# Altium PCB mantarray_beta2_sensor_arrayed.PcbDoc (part 13 of 14)
Units mil, origin at the board's own origin, x right, y up, seen from the top; angles counter-clockwise.
Board outline 6232.47 x 10167.51 mil, 8 copper layers (Layer1_Top, Layer2_sig1, Layer3_AVDD_PLANE, Layer4_GND_PLANE, Layer5_DVDD_PLANE, Layer6_BUS, Layer7_sig2, Layer8_BOT), stack 50.224 mil thick; 470 components, 492 nets, 4650 pads, 3798 vias.
Unrouted connection lines stored in the file: 3.
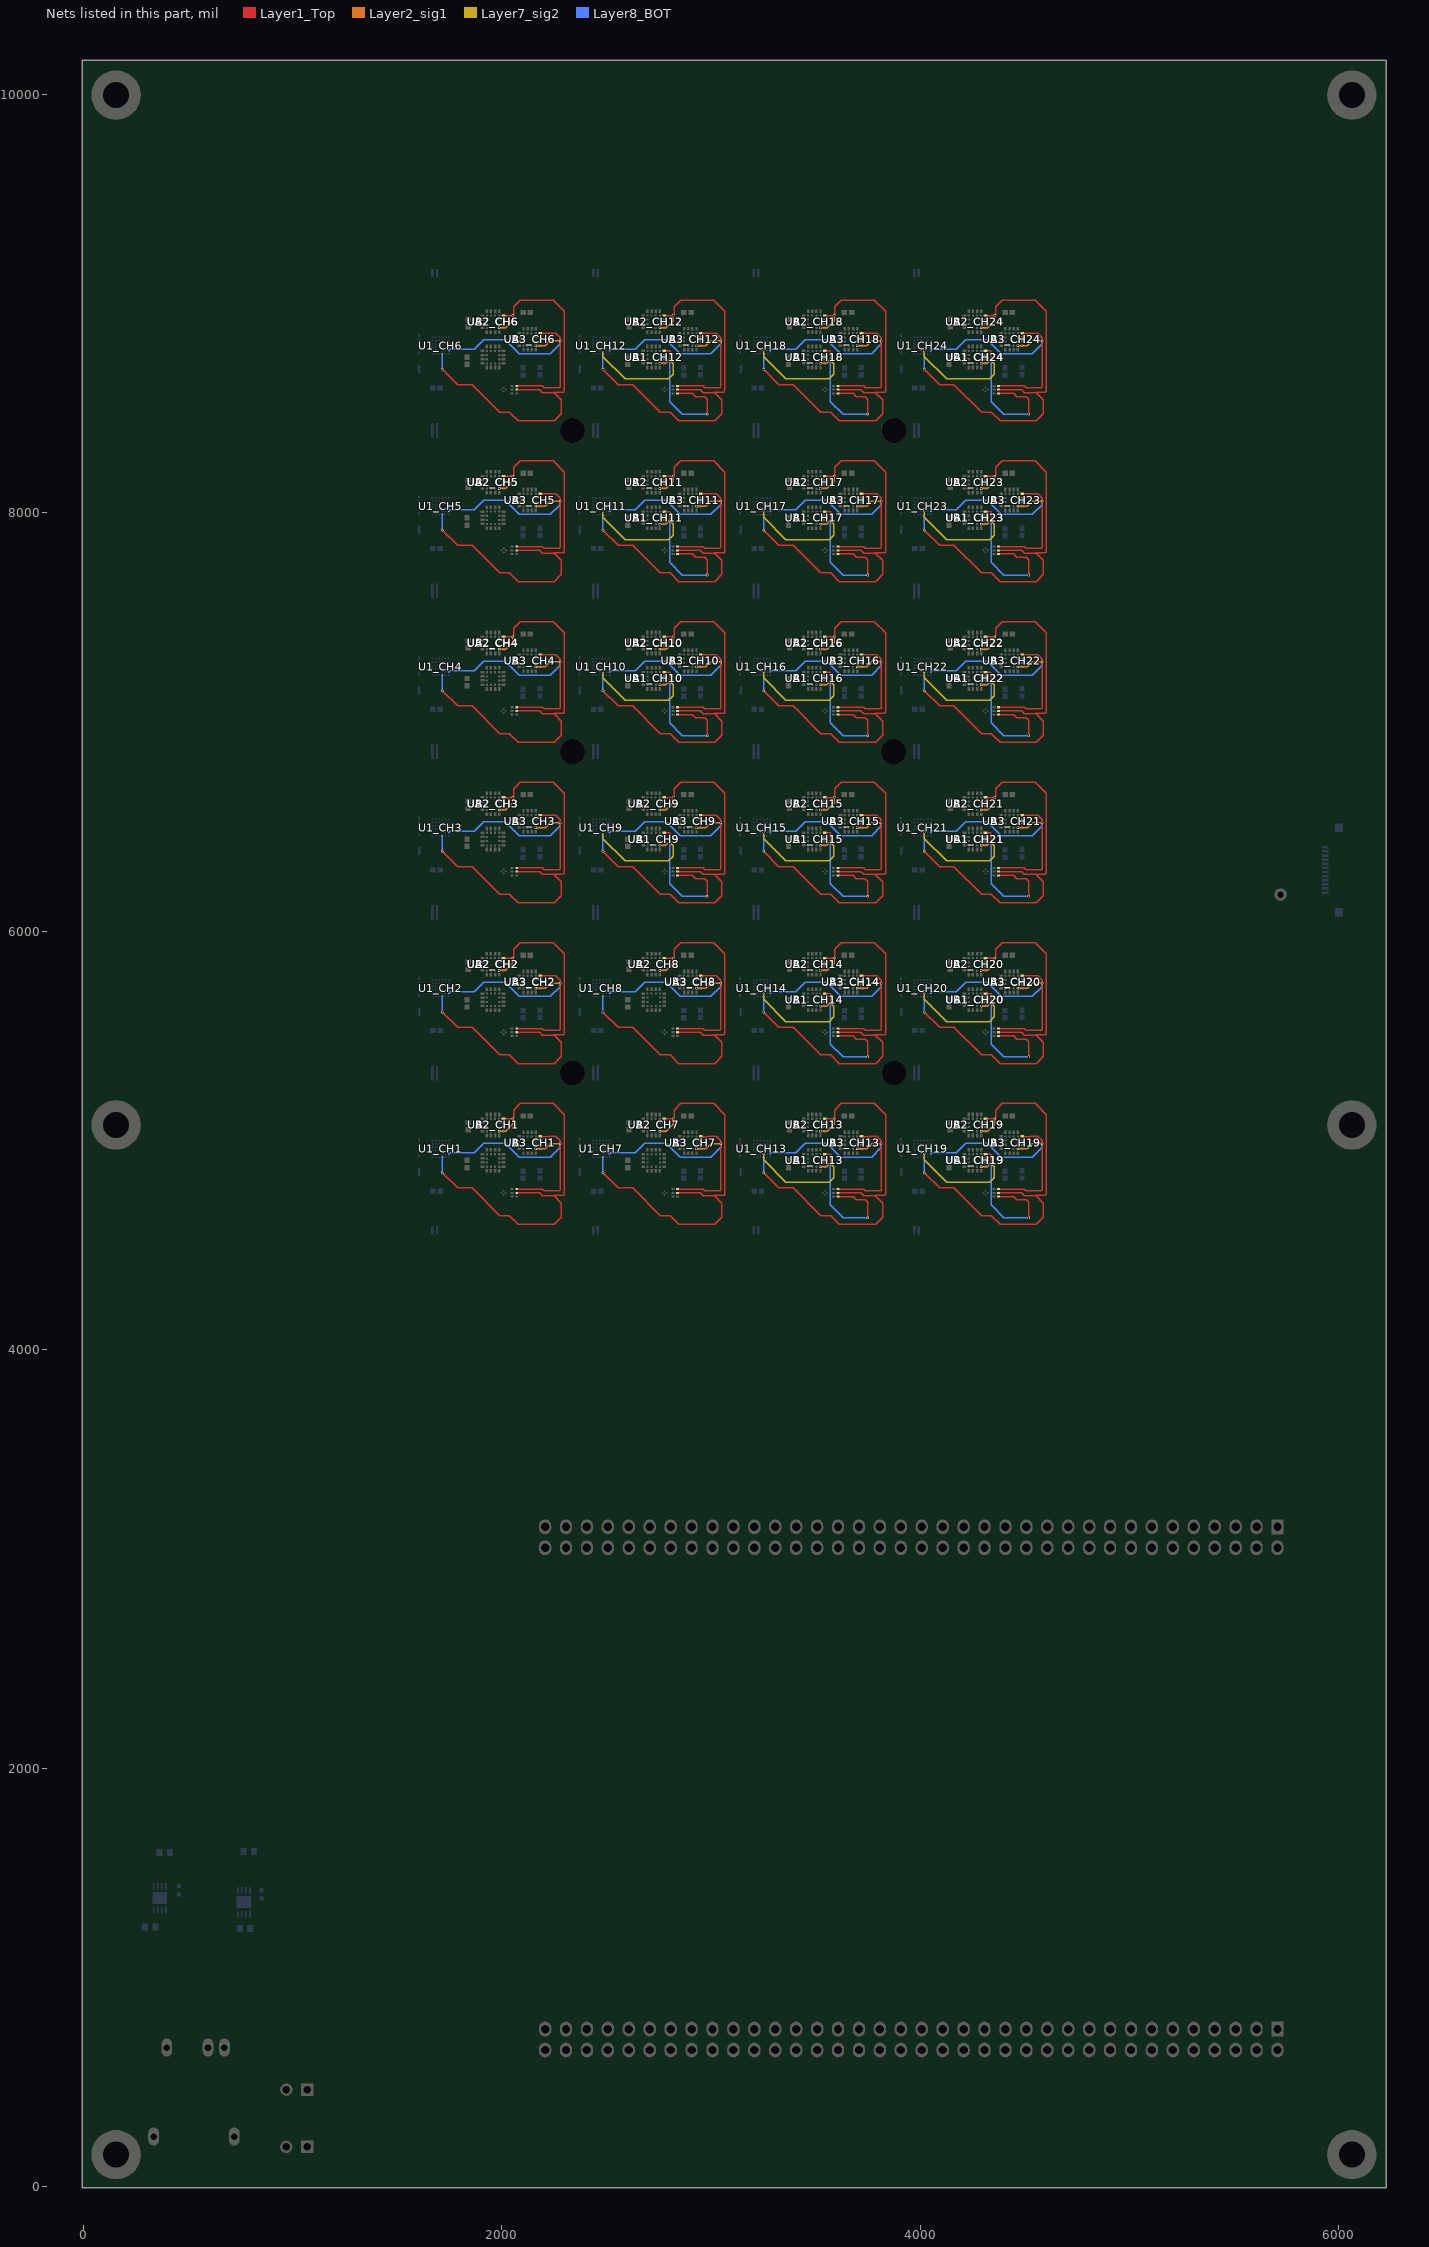
[diagram p19: the nets of this part, all layers, seen from the top]

## Via types
v1: diameter 12/12/12/12/12 (per signal layer), hole 7.87, Layer1_Top to Layer8_BOT, 2208 vias
v2: diameter 32, hole 20, Layer1_Top to Layer8_BOT, 815 vias
v3: diameter 10/10/10/10/10 (per signal layer), hole 7.87, Layer1_Top to Layer8_BOT, 456 vias
v4: diameter 18, hole 8, Layer6_BUS to Layer7_sig2, 102 vias
v5: diameter 10/10 (per signal layer), hole 7.87, Layer7_sig2 to Layer8_BOT, 96 vias
v6: diameter 18, hole 16, Layer1_Top to Layer8_BOT, 57 vias
v7: diameter 12, hole 7.87, Layer1_Top to Layer8_BOT, 26 vias
v8: diameter 18, hole 8, Layer1_Top to Layer8_BOT, 17 vias
v9: diameter 32, hole 16, Layer1_Top to Layer8_BOT, 10 vias
v10: diameter 19.68, hole 7.87, Layer1_Top to Layer8_BOT, 4 vias
v11: diameter 30, hole 20, Layer1_Top to Layer8_BOT, 3 vias
v12: diameter 70.87, hole 47.24, Layer1_Top to Layer8_BOT, 2 vias
v13: diameter 20, hole 16, Layer3_AVDD_PLANE to Layer8_BOT, 1 vias
v14: diameter 20, hole 16, Layer5_DVDD_PLANE to Layer8_BOT, 1 vias

## Nets (pads, with @x,y where several pads share a name; then routed paths per layer and width w, separated by ;. In a path a pad name is that pad's centre, name@x,y a point inside that pad or via, vN(x,y) a via of type N, cw(c..) or ccw(c..) an arc to the next point about the centre after c; other vN are vias at no path point) (continued)
spiA_cs_CH9: R7_CH9.2 U1_CH9.E3 UA1_CH9.10 UB1_CH9.4 | length 1246
  Layer1_Top w6: UB1_CH9.4@2776.37,6470.19 2801.6,6470.19 2805.12,6466.67 2805.12,6429.13 v1(2803.15,6427.17) ; R7_CH9.2@2839.57,6267.72 2911.42,6267.72 2927.17,6251.97 2970.47,6251.97 2982.28,6240.16 v1(2982.28,6167.32)
  Layer2_sig1 w6: v1(2756.4,6410.64) 2784.66,6410.64 2800.07,6426.05 2800.47,6426.05 2801.18,6426.77 v1@2801.18,6427.17
  Layer7_sig2 w6: v5(2484.25,6472.44) 2484.25,6442.91 2590.55,6336.61 2797.24,6336.61 2818.9,6358.27 2818.9,6409.45 v1@2801.18,6427.17
  Layer8_BOT w6: v1(2803.15,6427.17) 2803.15,6228.35 2864.17,6167.32 v1(2982.28,6167.32)
spiA_cs_CH10: R7_CH10.2 U1_CH10.E3 UA1_CH10.10 UB1_CH10.4 | length 1246
  Layer1_Top w6: UB1_CH10.4@2776.37,7237.91 2801.6,7237.91 2805.12,7234.39 2805.12,7196.85 v1(2803.15,7194.88) ; R7_CH10.2@2839.57,7035.43 2911.42,7035.43 2927.17,7019.69 2970.47,7019.69 2982.28,7007.87 v1(2982.28,6935.04)
  Layer2_sig1 w6: v1(2756.4,7178.36) 2784.66,7178.36 2800.07,7193.77 2800.47,7193.77 2801.18,7194.49 v1@2801.18,7194.88
  Layer7_sig2 w6: v5(2484.25,7240.16) 2484.25,7210.63 2590.55,7104.33 2797.24,7104.33 2818.9,7125.98 2818.9,7177.17 v1@2801.18,7194.88
  Layer8_BOT w6: v1(2803.15,7194.88) 2803.15,6996.06 2864.17,6935.04 v1(2982.28,6935.04)
spiA_cs_CH11: R7_CH11.2 U1_CH11.E3 UA1_CH11.10 UB1_CH11.4 | length 1246
  Layer1_Top w6: UB1_CH11.4@2776.37,8005.62 2801.6,8005.62 2805.12,8002.11 2805.12,7964.57 v1(2803.15,7962.6) ; R7_CH11.2@2839.57,7803.15 2911.42,7803.15 2927.17,7787.4 2970.47,7787.4 2982.28,7775.59 v1(2982.28,7702.76)
  Layer2_sig1 w6: v1(2756.4,7946.07) 2784.66,7946.07 2800.07,7961.49 2800.47,7961.49 2801.18,7962.2 v1@2801.18,7962.6
  Layer7_sig2 w6: v5(2484.25,8007.87) 2484.25,7978.35 2590.55,7872.05 2797.24,7872.05 2818.9,7893.7 2818.9,7944.88 v1@2801.18,7962.6
  Layer8_BOT w6: v1(2803.15,7962.6) 2803.15,7763.78 2864.17,7702.76 v1(2982.28,7702.76)
spiA_cs_CH12: R7_CH12.2 U1_CH12.E3 UA1_CH12.10 UB1_CH12.4 | length 1246
  Layer1_Top w6: UB1_CH12.4@2776.37,8773.34 2801.6,8773.34 2805.12,8769.82 2805.12,8732.28 v1(2803.15,8730.31) ; R7_CH12.2@2839.57,8570.87 2911.42,8570.87 2927.17,8555.12 2970.47,8555.12 2982.28,8543.31 v1(2982.28,8470.47)
  Layer2_sig1 w6: v1(2756.4,8713.79) 2784.66,8713.79 2800.07,8729.2 2800.47,8729.2 2801.18,8729.92 v1@2801.18,8730.31
  Layer7_sig2 w6: v5(2484.25,8775.59) 2484.25,8746.06 2590.55,8639.76 2797.24,8639.76 2818.9,8661.42 2818.9,8712.6 v1@2801.18,8730.31
  Layer8_BOT w6: v1(2803.15,8730.31) 2803.15,8531.5 2864.17,8470.47 v1(2982.28,8470.47)
spiA_cs_CH13: R7_CH13.2 U1_CH13.E3 UA1_CH13.10 UB1_CH13.4 | length 1246
  Layer1_Top w6: UB1_CH13.4@3544.09,4934.76 3569.32,4934.76 3572.83,4931.24 3572.83,4893.7 v1(3570.87,4891.73) ; R7_CH13.2@3607.28,4732.28 3679.13,4732.28 3694.88,4716.54 3738.19,4716.54 3750,4704.72 v1(3750,4631.89)
  Layer2_sig1 w6: v1(3524.12,4875.21) 3552.37,4875.21 3567.79,4890.62 3568.18,4890.62 3568.9,4891.34 v1@3568.9,4891.73
  Layer7_sig2 w6: v5(3251.97,4937.01) 3251.97,4907.48 3358.27,4801.18 3564.96,4801.18 3586.61,4822.83 3586.61,4874.02 v1@3568.9,4891.73
  Layer8_BOT w6: v1(3570.87,4891.73) 3570.87,4692.91 3631.89,4631.89 v1(3750,4631.89)
spiA_cs_CH14: R7_CH14.2 U1_CH14.E3 UA1_CH14.10 UB1_CH14.4 | length 1246
  Layer1_Top w6: UB1_CH14.4@3544.09,5702.47 3569.32,5702.47 3572.83,5698.96 3572.83,5661.42 v1(3570.87,5659.45) ; R7_CH14.2@3607.28,5500 3679.13,5500 3694.88,5484.25 3738.19,5484.25 3750,5472.44 v1(3750,5399.61)
  Layer2_sig1 w6: v1(3524.12,5642.92) 3552.37,5642.92 3567.79,5658.34 3568.18,5658.34 3568.9,5659.05 v1@3568.9,5659.45
  Layer7_sig2 w6: v5(3251.97,5704.72) 3251.97,5675.2 3358.27,5568.9 3564.96,5568.9 3586.61,5590.55 3586.61,5641.73 v1@3568.9,5659.45
  Layer8_BOT w6: v1(3570.87,5659.45) 3570.87,5460.63 3631.89,5399.61 v1(3750,5399.61)
spiA_cs_CH15: R7_CH15.2 U1_CH15.E3 UA1_CH15.10 UB1_CH15.4 | length 1246
  Layer1_Top w6: UB1_CH15.4@3544.09,6470.19 3569.32,6470.19 3572.83,6466.67 3572.83,6429.13 v1(3570.87,6427.17) ; R7_CH15.2@3607.28,6267.72 3679.13,6267.72 3694.88,6251.97 3738.19,6251.97 3750,6240.16 v1(3750,6167.32)
  Layer2_sig1 w6: v1(3524.12,6410.64) 3552.37,6410.64 3567.79,6426.05 3568.18,6426.05 3568.9,6426.77 v1@3568.9,6427.17
  Layer7_sig2 w6: v5(3251.97,6472.44) 3251.97,6442.91 3358.27,6336.61 3564.96,6336.61 3586.61,6358.27 3586.61,6409.45 v1@3568.9,6427.17
  Layer8_BOT w6: v1(3570.87,6427.17) 3570.87,6228.35 3631.89,6167.32 v1(3750,6167.32)
spiA_cs_CH16: R7_CH16.2 U1_CH16.E3 UA1_CH16.10 UB1_CH16.4 | length 1246
  Layer1_Top w6: UB1_CH16.4@3544.09,7237.91 3569.32,7237.91 3572.83,7234.39 3572.83,7196.85 v1(3570.87,7194.88) ; R7_CH16.2@3607.28,7035.43 3679.13,7035.43 3694.88,7019.69 3738.19,7019.69 3750,7007.87 v1(3750,6935.04)
  Layer2_sig1 w6: v1(3524.12,7178.36) 3552.37,7178.36 3567.79,7193.77 3568.18,7193.77 3568.9,7194.49 v1@3568.9,7194.88
  Layer7_sig2 w6: v5(3251.97,7240.16) 3251.97,7210.63 3358.27,7104.33 3564.96,7104.33 3586.61,7125.98 3586.61,7177.17 v1@3568.9,7194.88
  Layer8_BOT w6: v1(3570.87,7194.88) 3570.87,6996.06 3631.89,6935.04 v1(3750,6935.04)
spiA_cs_CH17: R7_CH17.2 U1_CH17.E3 UA1_CH17.10 UB1_CH17.4 | length 1246
  Layer1_Top w6: UB1_CH17.4@3544.09,8005.62 3569.32,8005.62 3572.83,8002.11 3572.83,7964.57 v1(3570.87,7962.6) ; R7_CH17.2@3607.28,7803.15 3679.13,7803.15 3694.88,7787.4 3738.19,7787.4 3750,7775.59 v1(3750,7702.76)
  Layer2_sig1 w6: v1(3524.12,7946.07) 3552.37,7946.07 3567.79,7961.49 3568.18,7961.49 3568.9,7962.2 v1@3568.9,7962.6
  Layer7_sig2 w6: v5(3251.97,8007.87) 3251.97,7978.35 3358.27,7872.05 3564.96,7872.05 3586.61,7893.7 3586.61,7944.88 v1@3568.9,7962.6
  Layer8_BOT w6: v1(3570.87,7962.6) 3570.87,7763.78 3631.89,7702.76 v1(3750,7702.76)
spiA_cs_CH18: R7_CH18.2 U1_CH18.E3 UA1_CH18.10 UB1_CH18.4 | length 1246
  Layer1_Top w6: UB1_CH18.4@3544.09,8773.34 3569.32,8773.34 3572.83,8769.82 3572.83,8732.28 v1(3570.87,8730.31) ; R7_CH18.2@3607.28,8570.87 3679.13,8570.87 3694.88,8555.12 3738.19,8555.12 3750,8543.31 v1(3750,8470.47)
  Layer2_sig1 w6: v1(3524.12,8713.79) 3552.37,8713.79 3567.79,8729.2 3568.18,8729.2 3568.9,8729.92 v1@3568.9,8730.31
  Layer7_sig2 w6: v5(3251.97,8775.59) 3251.97,8746.06 3358.27,8639.76 3564.96,8639.76 3586.61,8661.42 3586.61,8712.6 v1@3568.9,8730.31
  Layer8_BOT w6: v1(3570.87,8730.31) 3570.87,8531.5 3631.89,8470.47 v1(3750,8470.47)
spiA_cs_CH19: R7_CH19.2 U1_CH19.E3 UA1_CH19.10 UB1_CH19.4 | length 1246
  Layer1_Top w6: UB1_CH19.4@4311.8,4934.76 4337.04,4934.76 4340.55,4931.24 4340.55,4893.7 v1(4338.58,4891.73) ; R7_CH19.2@4375,4732.28 4446.85,4732.28 4462.6,4716.54 4505.91,4716.54 4517.72,4704.72 v1(4517.72,4631.89)
  Layer2_sig1 w6: v1(4291.83,4875.21) 4320.09,4875.21 4335.5,4890.62 4335.9,4890.62 4336.61,4891.34 v1@4336.61,4891.73
  Layer7_sig2 w6: v5(4019.69,4937.01) 4019.69,4907.48 4125.98,4801.18 4332.68,4801.18 4354.33,4822.83 4354.33,4874.02 v1@4336.61,4891.73
  Layer8_BOT w6: v1(4338.58,4891.73) 4338.58,4692.91 4399.61,4631.89 v1(4517.72,4631.89)
spiA_cs_CH20: R7_CH20.2 U1_CH20.E3 UA1_CH20.10 UB1_CH20.4 | length 1246
  Layer1_Top w6: UB1_CH20.4@4311.8,5702.47 4337.04,5702.47 4340.55,5698.96 4340.55,5661.42 v1(4338.58,5659.45) ; R7_CH20.2@4375,5500 4446.85,5500 4462.6,5484.25 4505.91,5484.25 4517.72,5472.44 v1(4517.72,5399.61)
  Layer2_sig1 w6: v1(4291.83,5642.92) 4320.09,5642.92 4335.5,5658.34 4335.9,5658.34 4336.61,5659.05 v1@4336.61,5659.45
  Layer7_sig2 w6: v5(4019.69,5704.72) 4019.69,5675.2 4125.98,5568.9 4332.68,5568.9 4354.33,5590.55 4354.33,5641.73 v1@4336.61,5659.45
  Layer8_BOT w6: v1(4338.58,5659.45) 4338.58,5460.63 4399.61,5399.61 v1(4517.72,5399.61)
spiA_cs_CH21: R7_CH21.2 U1_CH21.E3 UA1_CH21.10 UB1_CH21.4 | length 1246
  Layer1_Top w6: UB1_CH21.4@4311.8,6470.19 4337.04,6470.19 4340.55,6466.67 4340.55,6429.13 v1(4338.58,6427.17) ; R7_CH21.2@4375,6267.72 4446.85,6267.72 4462.6,6251.97 4505.91,6251.97 4517.72,6240.16 v1(4517.72,6167.32)
  Layer2_sig1 w6: v1(4291.83,6410.64) 4320.09,6410.64 4335.5,6426.05 4335.9,6426.05 4336.61,6426.77 v1@4336.61,6427.17
  Layer7_sig2 w6: v5(4019.69,6472.44) 4019.69,6442.91 4125.98,6336.61 4332.68,6336.61 4354.33,6358.27 4354.33,6409.45 v1@4336.61,6427.17
  Layer8_BOT w6: v1(4338.58,6427.17) 4338.58,6228.35 4399.61,6167.32 v1(4517.72,6167.32)
spiA_cs_CH22: R7_CH22.2 U1_CH22.E3 UA1_CH22.10 UB1_CH22.4 | length 1246
  Layer1_Top w6: UB1_CH22.4@4311.8,7237.91 4337.04,7237.91 4340.55,7234.39 4340.55,7196.85 v1(4338.58,7194.88) ; R7_CH22.2@4375,7035.43 4446.85,7035.43 4462.6,7019.69 4505.91,7019.69 4517.72,7007.87 v1(4517.72,6935.04)
  Layer2_sig1 w6: v1(4291.83,7178.36) 4320.09,7178.36 4335.5,7193.77 4335.9,7193.77 4336.61,7194.49 v1@4336.61,7194.88
  Layer7_sig2 w6: v5(4019.69,7240.16) 4019.69,7210.63 4125.98,7104.33 4332.68,7104.33 4354.33,7125.98 4354.33,7177.17 v1@4336.61,7194.88
  Layer8_BOT w6: v1(4338.58,7194.88) 4338.58,6996.06 4399.61,6935.04 v1(4517.72,6935.04)
spiA_cs_CH23: R7_CH23.2 U1_CH23.E3 UA1_CH23.10 UB1_CH23.4 | length 1246
  Layer1_Top w6: UB1_CH23.4@4311.8,8005.62 4337.04,8005.62 4340.55,8002.11 4340.55,7964.57 v1(4338.58,7962.6) ; R7_CH23.2@4375,7803.15 4446.85,7803.15 4462.6,7787.4 4505.91,7787.4 4517.72,7775.59 v1(4517.72,7702.76)
  Layer2_sig1 w6: v1(4291.83,7946.07) 4320.09,7946.07 4335.5,7961.49 4335.9,7961.49 4336.61,7962.2 v1@4336.61,7962.6
  Layer7_sig2 w6: v5(4019.69,8007.87) 4019.69,7978.35 4125.98,7872.05 4332.68,7872.05 4354.33,7893.7 4354.33,7944.88 v1@4336.61,7962.6
  Layer8_BOT w6: v1(4338.58,7962.6) 4338.58,7763.78 4399.61,7702.76 v1(4517.72,7702.76)
spiA_cs_CH24: R7_CH24.2 U1_CH24.E3 UA1_CH24.10 UB1_CH24.4 | length 1246
  Layer1_Top w6: UB1_CH24.4@4311.8,8773.34 4337.04,8773.34 4340.55,8769.82 4340.55,8732.28 v1(4338.58,8730.31) ; R7_CH24.2@4375,8570.87 4446.85,8570.87 4462.6,8555.12 4505.91,8555.12 4517.72,8543.31 v1(4517.72,8470.47)
  Layer2_sig1 w6: v1(4291.83,8713.79) 4320.09,8713.79 4335.5,8729.2 4335.9,8729.2 4336.61,8729.92 v1@4336.61,8730.31
  Layer7_sig2 w6: v5(4019.69,8775.59) 4019.69,8746.06 4125.98,8639.76 4332.68,8639.76 4354.33,8661.42 4354.33,8712.6 v1@4336.61,8730.31
  Layer8_BOT w6: v1(4338.58,8730.31) 4338.58,8531.5 4399.61,8470.47 v1(4517.72,8470.47)
spiB_cs_CH1: R8_CH1.2 U1_CH1.F3 UA2_CH1.10 UB2_CH1.4 | length 1966.1
  Layer1_Top w6: v1(1716.54,4846.46) 1789.37,4773.62 1858.27,4773.62 1990.16,4641.73 2037.4,4641.73 2078.74,4600.39 2251.13,4600.39 2285.16,4634.43 2285.16,4701.62 2248.6,4738.19 ; UB2_CH1.4@2008.16,5104.04 2053.57,5104.04 2057.09,5107.56 2057.09,5145.67 2088.58,5177.17 2246.06,5177.17 2299.21,5124.02 2299.21,4741.7 2295.7,4738.19 2248.6,4738.19 ; R8_CH1.2@2071.85,4750 2181.1,4750 2194.88,4736.22 2246.63,4736.22 2248.6,4738.19
  Layer2_sig1 w6: v1(1988.19,5045.28) 2019.69,5045.28 2053.15,5078.74 v1(2053.15,5104.33)
  Layer8_BOT w6: v1(1716.54,4846.46) U1_CH1.F3@1716.54,4921.26
spiB_cs_CH2: R8_CH2.2 U1_CH2.F3 UA2_CH2.10 UB2_CH2.4 | length 1966.1
  Layer1_Top w6: v1(1716.54,5614.17) 1789.37,5541.34 1858.27,5541.34 1990.16,5409.45 2037.4,5409.45 2078.74,5368.11 2251.13,5368.11 2285.16,5402.14 2285.16,5469.34 2248.6,5505.91 ; UB2_CH2.4@2008.16,5871.76 2053.57,5871.76 2057.09,5875.28 2057.09,5913.39 2088.58,5944.88 2246.06,5944.88 2299.21,5891.73 2299.21,5509.42 2295.7,5505.91 2248.6,5505.91 ; R8_CH2.2@2071.85,5517.72 2181.1,5517.72 2194.88,5503.94 2246.63,5503.94 2248.6,5505.91
  Layer2_sig1 w6: v1(1988.19,5812.99) 2019.69,5812.99 2053.15,5846.46 v1(2053.15,5872.05)
  Layer8_BOT w6: v1(1716.54,5614.17) U1_CH2.F3@1716.54,5688.98
spiB_cs_CH3: R8_CH3.2 U1_CH3.F3 UA2_CH3.10 UB2_CH3.4 | length 1966.1
  Layer1_Top w6: v1(1716.54,6381.89) 1789.37,6309.06 1858.27,6309.06 1990.16,6177.17 2037.4,6177.17 2078.74,6135.83 2251.13,6135.83 2285.16,6169.86 2285.16,6237.06 2248.6,6273.62 ; UB2_CH3.4@2008.16,6639.48 2053.57,6639.48 2057.09,6642.99 2057.09,6681.1 2088.58,6712.6 2246.06,6712.6 2299.21,6659.45 2299.21,6277.14 2295.7,6273.62 2248.6,6273.62 ; R8_CH3.2@2071.85,6285.43 2181.1,6285.43 2194.88,6271.65 2246.63,6271.65 2248.6,6273.62
  Layer2_sig1 w6: v1(1988.19,6580.71) 2019.69,6580.71 2053.15,6614.17 v1(2053.15,6639.76)
  Layer8_BOT w6: v1(1716.54,6381.89) U1_CH3.F3@1716.54,6456.69
spiB_cs_CH4: R8_CH4.2 U1_CH4.F3 UA2_CH4.10 UB2_CH4.4 | length 1966.1
  Layer1_Top w6: v1(1716.54,7149.61) 1789.37,7076.77 1858.27,7076.77 1990.16,6944.88 2037.4,6944.88 2078.74,6903.54 2251.13,6903.54 2285.16,6937.58 2285.16,7004.77 2248.6,7041.34 ; UB2_CH4.4@2008.16,7407.19 2053.57,7407.19 2057.09,7410.71 2057.09,7448.82 2088.58,7480.31 2246.06,7480.31 2299.21,7427.17 2299.21,7044.85 2295.7,7041.34 2248.6,7041.34 ; R8_CH4.2@2071.85,7053.15 2181.1,7053.15 2194.88,7039.37 2246.63,7039.37 2248.6,7041.34
  Layer2_sig1 w6: v1(1988.19,7348.43) 2019.69,7348.43 2053.15,7381.89 v1(2053.15,7407.48)
  Layer8_BOT w6: v1(1716.54,7149.61) U1_CH4.F3@1716.54,7224.41
spiB_cs_CH5: R8_CH5.2 U1_CH5.F3 UA2_CH5.10 UB2_CH5.4 | length 1966.1
  Layer1_Top w6: v1(1716.54,7917.32) 1789.37,7844.49 1858.27,7844.49 1990.16,7712.6 2037.4,7712.6 2078.74,7671.26 2251.13,7671.26 2285.16,7705.29 2285.16,7772.49 2248.6,7809.06 ; UB2_CH5.4@2008.16,8174.91 2053.57,8174.91 2057.09,8178.42 2057.09,8216.54 2088.58,8248.03 2246.06,8248.03 2299.21,8194.88 2299.21,7812.57 2295.7,7809.06 2248.6,7809.06 ; R8_CH5.2@2071.85,7820.87 2181.1,7820.87 2194.88,7807.09 2246.63,7807.09 2248.6,7809.06
  Layer2_sig1 w6: v1(1988.19,8116.14) 2019.69,8116.14 2053.15,8149.61 v1(2053.15,8175.2)
  Layer8_BOT w6: v1(1716.54,7917.32) U1_CH5.F3@1716.54,7992.13
spiB_cs_CH6: R8_CH6.2 U1_CH6.F3 UA2_CH6.10 UB2_CH6.4 | length 1966.1
  Layer1_Top w6: v1(1716.54,8685.04) 1789.37,8612.2 1858.27,8612.2 1990.16,8480.31 2037.4,8480.31 2078.74,8438.98 2251.13,8438.98 2285.16,8473.01 2285.16,8540.21 2248.6,8576.77 ; UB2_CH6.4@2008.16,8942.63 2053.57,8942.63 2057.09,8946.14 2057.09,8984.25 2088.58,9015.75 2246.06,9015.75 2299.21,8962.6 2299.21,8580.29 2295.7,8576.77 2248.6,8576.77 ; R8_CH6.2@2071.85,8588.58 2181.1,8588.58 2194.88,8574.8 2246.63,8574.8 2248.6,8576.77
  Layer2_sig1 w6: v1(1988.19,8883.86) 2019.69,8883.86 2053.15,8917.32 v1(2053.15,8942.91)
  Layer8_BOT w6: v1(1716.54,8685.04) U1_CH6.F3@1716.54,8759.84
spiB_cs_CH7: R8_CH7.2 U1_CH7.F3 UA2_CH7.10 UB2_CH7.4 | length 1966.1
  Layer1_Top w6: v1(2484.25,4846.46) 2557.09,4773.62 2625.98,4773.62 2757.87,4641.73 2805.12,4641.73 2846.46,4600.39 3018.85,4600.39 3052.88,4634.43 3052.88,4701.62 3016.32,4738.19 ; UB2_CH7.4@2775.88,5104.04 2821.29,5104.04 2824.8,5107.56 2824.8,5145.67 2856.3,5177.17 3013.78,5177.17 3066.93,5124.02 3066.93,4741.7 3063.41,4738.19 3016.32,4738.19 ; R8_CH7.2@2839.57,4750 2948.82,4750 2962.6,4736.22 3014.35,4736.22 3016.32,4738.19
  Layer2_sig1 w6: v1(2755.91,5045.28) 2787.4,5045.28 2820.87,5078.74 v1(2820.87,5104.33)
  Layer8_BOT w6: v1(2484.25,4846.46) U1_CH7.F3@2484.25,4921.26
spiB_cs_CH8: R8_CH8.2 U1_CH8.F3 UA2_CH8.10 UB2_CH8.4 | length 1966.1
  Layer1_Top w6: v1(2484.25,5614.17) 2557.09,5541.34 2625.98,5541.34 2757.87,5409.45 2805.12,5409.45 2846.46,5368.11 3018.85,5368.11 3052.88,5402.14 3052.88,5469.34 3016.32,5505.91 ; UB2_CH8.4@2775.88,5871.76 2821.29,5871.76 2824.8,5875.28 2824.8,5913.39 2856.3,5944.88 3013.78,5944.88 3066.93,5891.73 3066.93,5509.42 3063.41,5505.91 3016.32,5505.91 ; R8_CH8.2@2839.57,5517.72 2948.82,5517.72 2962.6,5503.94 3014.35,5503.94 3016.32,5505.91
  Layer2_sig1 w6: v1(2755.91,5812.99) 2787.4,5812.99 2820.87,5846.46 v1(2820.87,5872.05)
  Layer8_BOT w6: v1(2484.25,5614.17) U1_CH8.F3@2484.25,5688.98
spiB_cs_CH9: R8_CH9.2 U1_CH9.F3 UA2_CH9.10 UB2_CH9.4 | length 1966.1
  Layer1_Top w6: v1(2484.25,6381.89) 2557.09,6309.06 2625.98,6309.06 2757.87,6177.17 2805.12,6177.17 2846.46,6135.83 3018.85,6135.83 3052.88,6169.86 3052.88,6237.06 3016.32,6273.62 ; UB2_CH9.4@2775.88,6639.48 2821.29,6639.48 2824.8,6642.99 2824.8,6681.1 2856.3,6712.6 3013.78,6712.6 3066.93,6659.45 3066.93,6277.14 3063.41,6273.62 3016.32,6273.62 ; R8_CH9.2@2839.57,6285.43 2948.82,6285.43 2962.6,6271.65 3014.35,6271.65 3016.32,6273.62